# KiCad board V5PCB_Panel.kicad_pcb
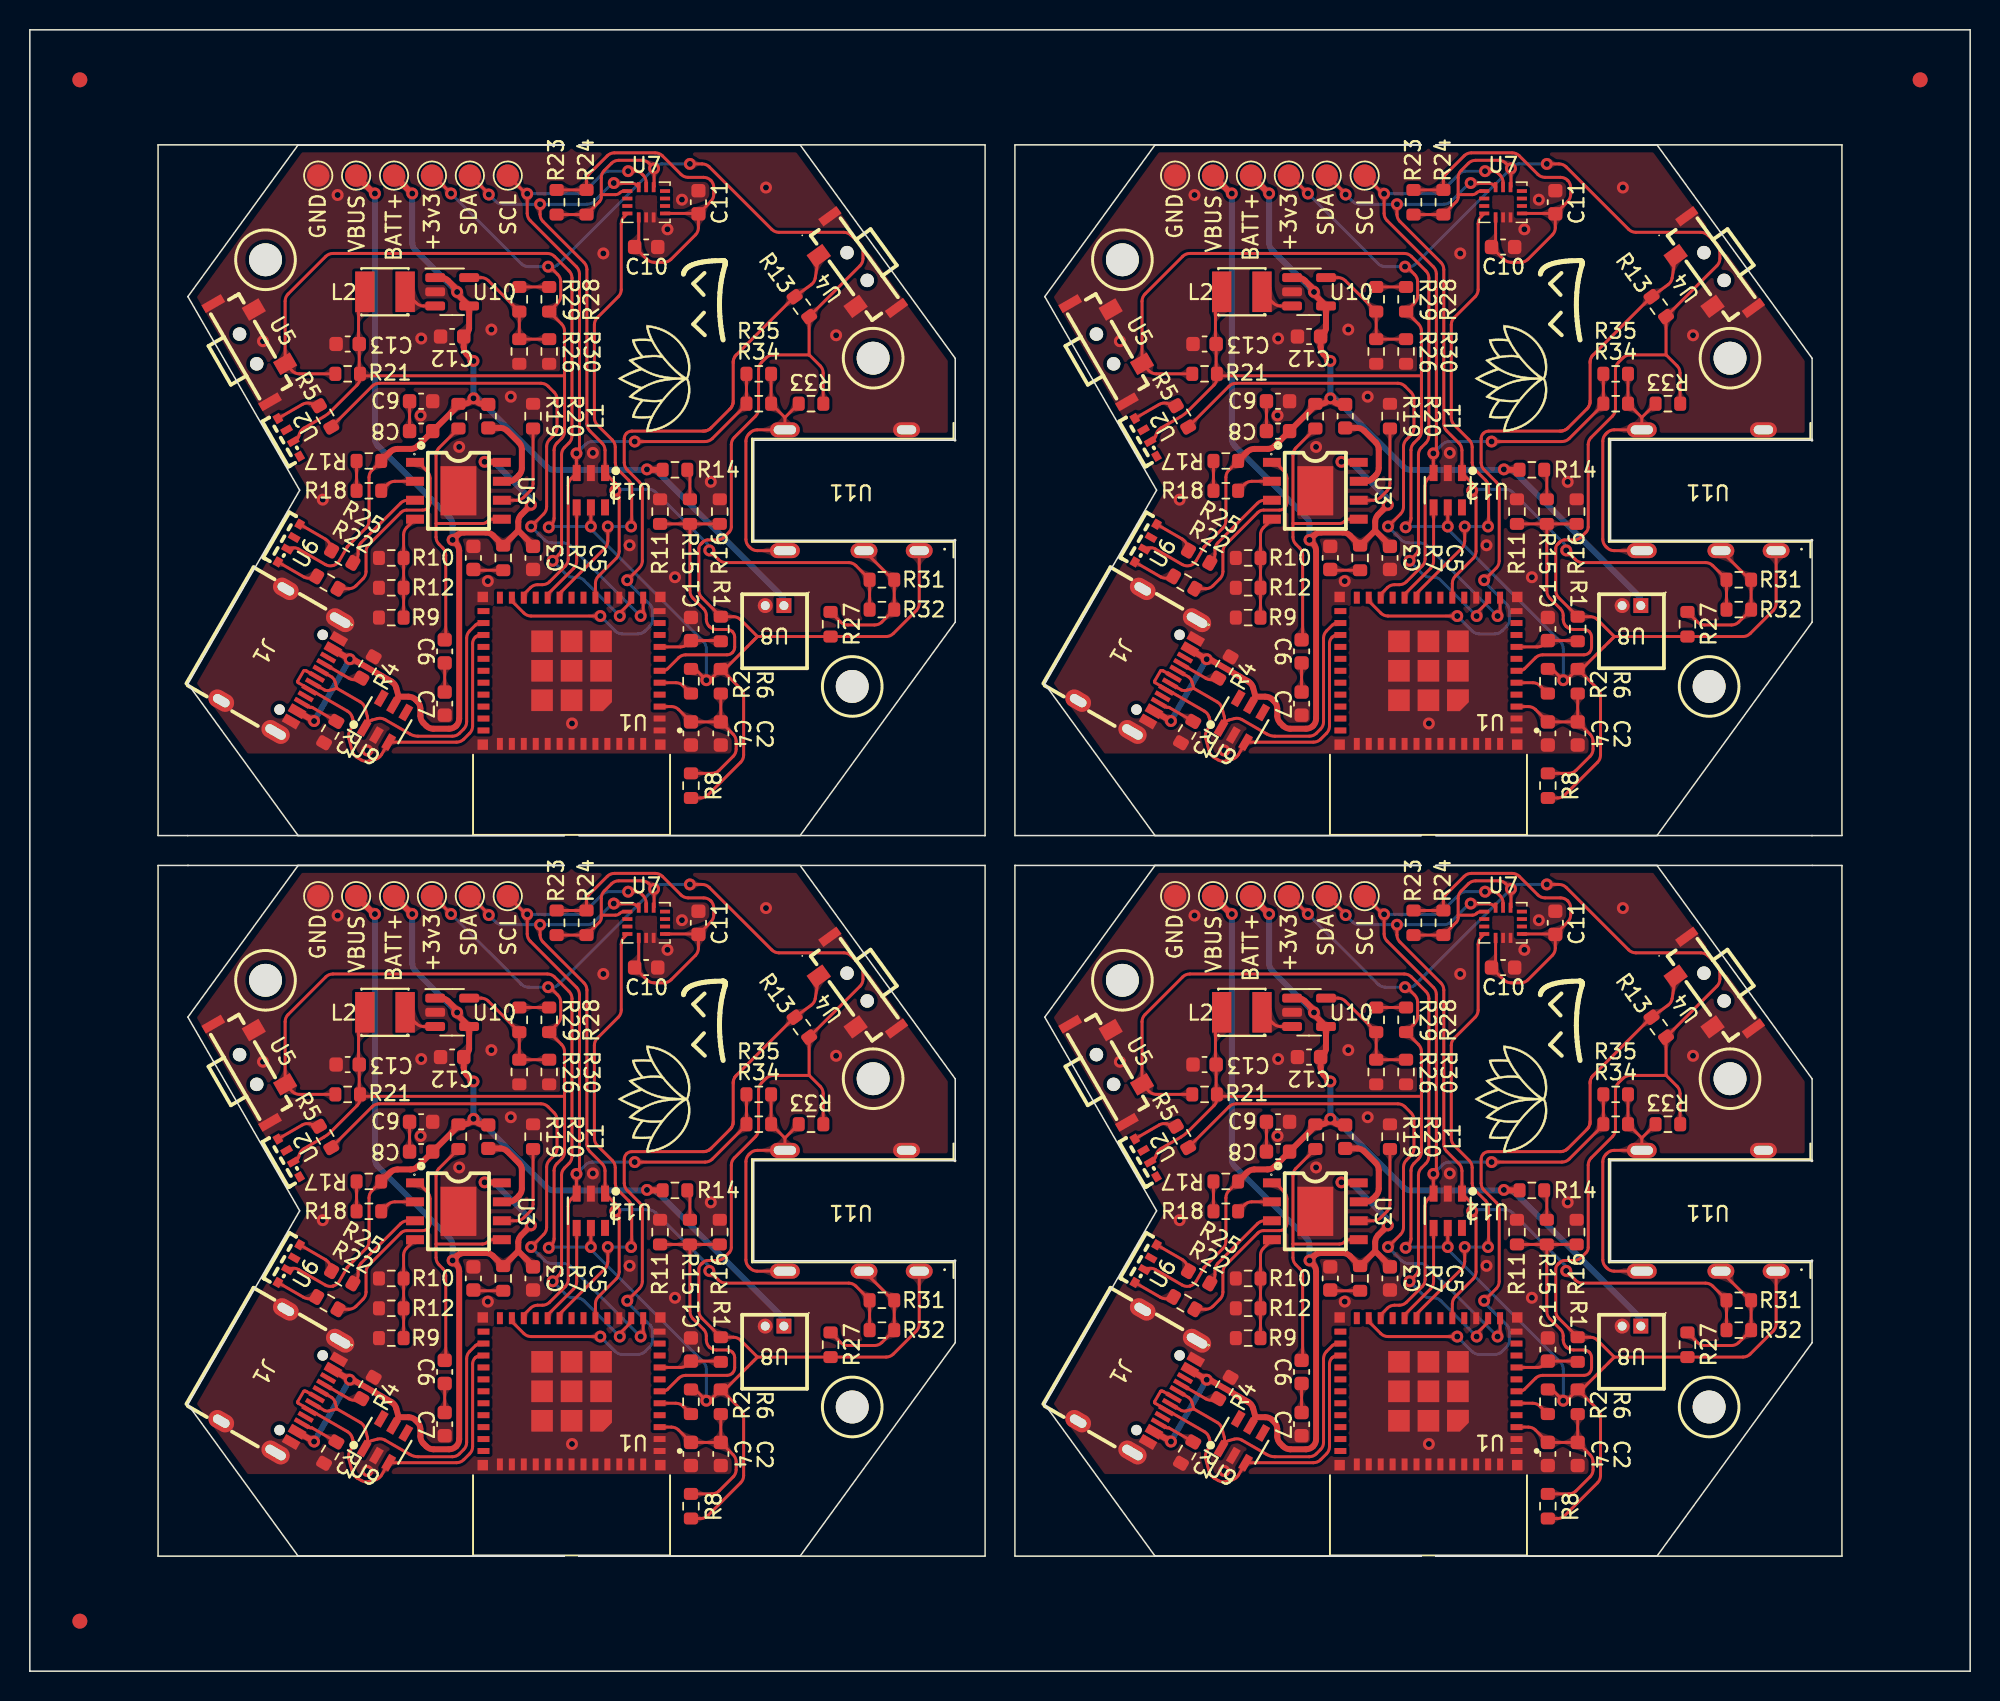
[diagram p0: board, top side]
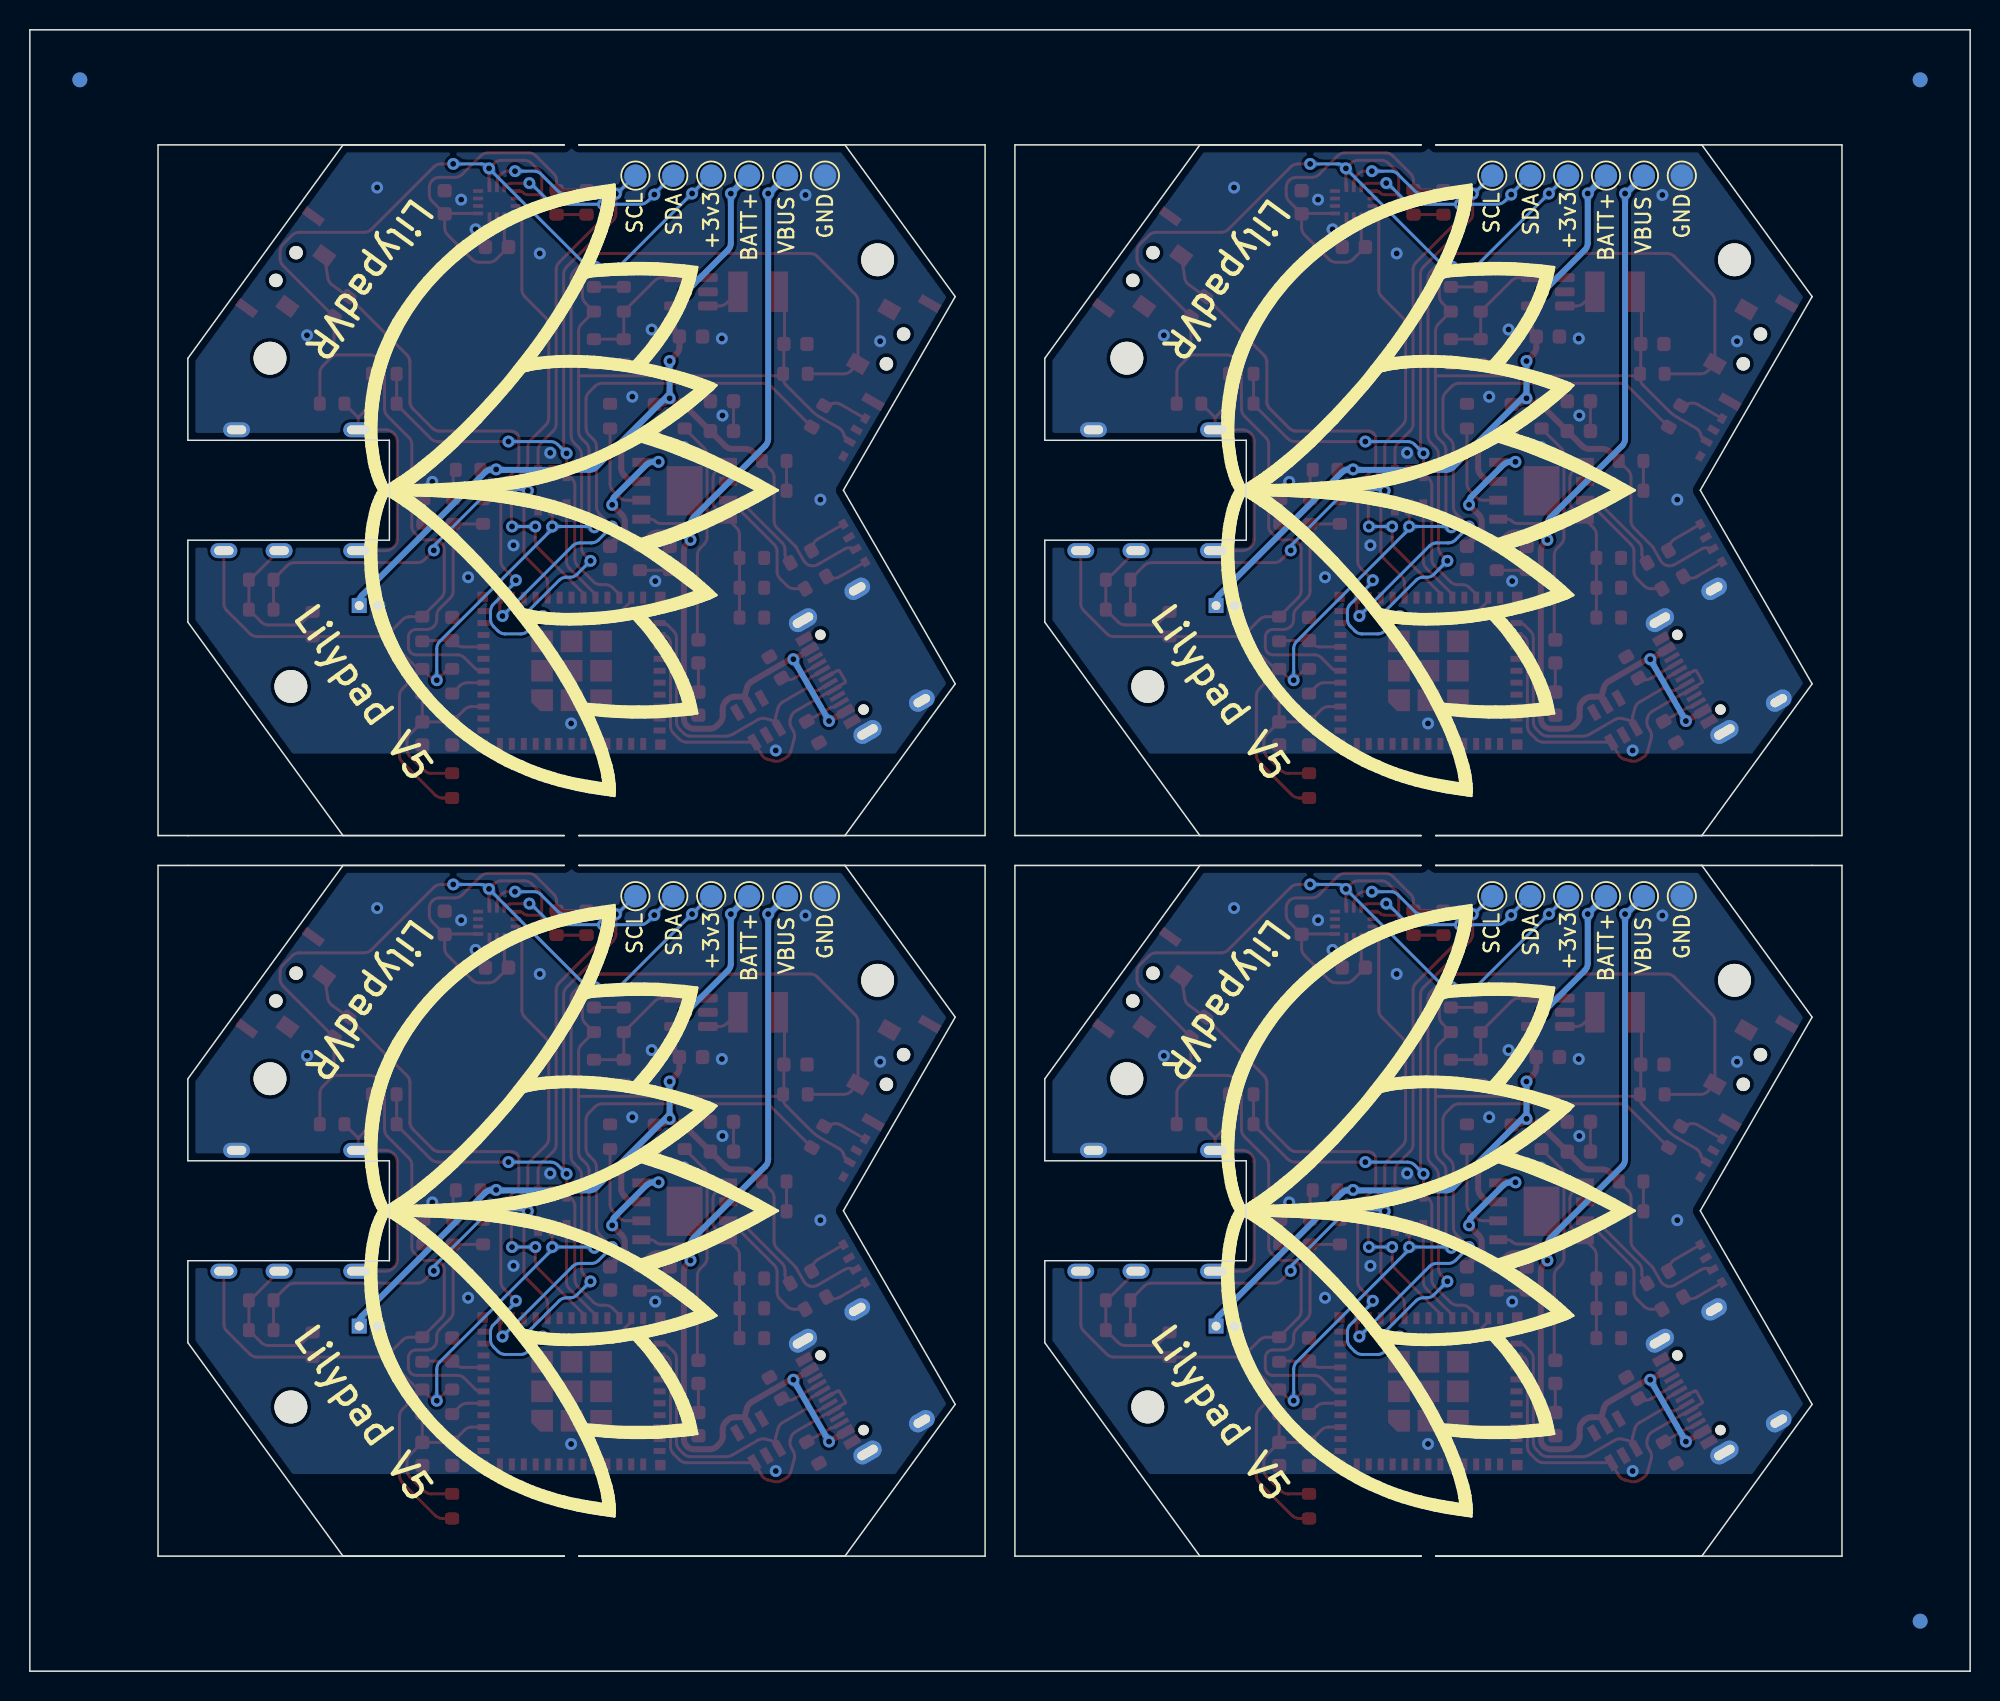
[diagram p1: board, bottom side, seen from below]

Outline 130 x 110 mm; copper layers: Top, Bottom. Coordinates in mm from the lower left corner of the outline.
Outline path: 17.98,102.29 8.59,102.29 8.59,56 17.98,56 ; 17.98,102.29 10.59,92.12 18.08,79.14 10.59,66.17 17.98,56 ; 17.98,102.29 35.79,102.29 17.98,102.29 ; 17.98,54 8.59,54 8.59,7.71 17.98,7.71 ; 17.98,54 10.59,43.83 18.08,30.86 10.59,17.88 17.98,7.71 ; 17.98,54 35.79,54 17.98,54 ; 17.98,56 35.79,56 17.98,56 ; 17.98,7.71 35.79,7.71 17.98,7.71 ; 75.39,102.29 66,102.29 66,56 75.39,56 ; 75.39,102.29 68,92.12 75.49,79.14 68,66.17 75.39,56 ; 75.39,102.29 93.21,102.29 75.39,102.29 ; 75.39,54 66,54 66,7.71 75.39,7.71 ; 75.39,54 68,43.83 75.49,30.86 68,17.88 75.39,7.71 ; 75.39,54 93.21,54 75.39,54 ; 75.39,56 93.21,56 75.39,56 ; 75.39,7.71 93.21,7.71 75.39,7.71 ; 0,110 0,0 130,0 130,110 0,110 ; 36.79,102.29 64,102.29 64,56 36.79,56 51.61,56 62,70.3 62,75.79 48.5,75.79 48.5,82.49 62,82.49 62,87.99 51.61,102.29 36.79,102.29 ; 36.79,54 64,54 64,7.71 36.79,7.71 51.61,7.71 62,22.01 62,27.51 48.5,27.51 48.5,34.21 62,34.21 62,39.7 51.61,54 36.79,54 ; 94.21,102.29 121.41,102.29 121.41,56 94.21,56 109.02,56 119.41,70.3 119.41,75.79 105.91,75.79 105.91,82.49 119.41,82.49 119.41,87.99 109.02,102.29 94.21,102.29 ; 94.21,54 121.41,54 121.41,7.71 94.21,7.71 109.02,7.71 119.41,22.01 119.41,27.51 105.91,27.51 105.91,34.21 119.41,34.21 119.41,39.7 109.02,54 94.21,54
Stack: Top 0.035mm / dielectric 0.91mm FR4 er 4.5 / Bottom 0.035mm

## Placement (name value [footprint] x y rotation side)
+3v3  -  [TestPoint_Pad_D1.5mm]  26.94 100.23 90 top
+3v3#2  -  [TestPoint_Pad_D1.5mm]  84.35 100.23 90 top
+3v3#3  -  [TestPoint_Pad_D1.5mm]  26.94 51.94 90 top
+3v3#4  -  [TestPoint_Pad_D1.5mm]  84.35 51.94 90 top
+3v3#5  -  [TestPoint_Pad_D1.5mm]  84.35 51.94 270 bottom
+3v3#6  -  [TestPoint_Pad_D1.5mm]  26.94 100.23 270 bottom
+3v3#7  -  [TestPoint_Pad_D1.5mm]  84.35 100.23 270 bottom
+3v3#8  -  [TestPoint_Pad_D1.5mm]  26.94 51.94 270 bottom
BATT+  -  [TestPoint_Pad_D1.5mm]  24.4 51.94 90 top
BATT+#2  -  [TestPoint_Pad_D1.5mm]  81.81 51.94 90 top
BATT+#3  -  [TestPoint_Pad_D1.5mm]  24.4 100.23 90 top
BATT+#4  -  [TestPoint_Pad_D1.5mm]  81.81 100.23 90 top
BATT+#5  -  [TestPoint_Pad_D1.5mm]  24.4 51.94 270 bottom
BATT+#6  -  [TestPoint_Pad_D1.5mm]  81.81 100.23 270 bottom
BATT+#7  -  [TestPoint_Pad_D1.5mm]  81.81 51.94 270 bottom
BATT+#8  -  [TestPoint_Pad_D1.5mm]  24.4 100.23 270 bottom
C1  1u  [C_0603_1608Metric]  44.29 21.56 90 top
C1#2  1u  [C_0603_1608Metric]  101.71 21.56 90 top
C1#3  1u  [C_0603_1608Metric]  44.29 69.84 90 top
C1#4  1u  [C_0603_1608Metric]  101.71 69.84 90 top
C2  100n  [C_0603_1608Metric]  46.29 62.84 270 top
C2#2  100n  [C_0603_1608Metric]  46.29 14.56 270 top
C2#3  100n  [C_0603_1608Metric]  103.71 14.56 270 top
C2#4  100n  [C_0603_1608Metric]  103.71 62.84 270 top
C3  10u  [C_0603_1608Metric]  29.72 26.32 90 top
C3#2  10u  [C_0603_1608Metric]  87.13 26.32 90 top
C3#3  10u  [C_0603_1608Metric]  29.72 74.61 90 top
C3#4  10u  [C_0603_1608Metric]  87.13 74.61 90 top
C4  1u  [C_0603_1608Metric]  101.71 14.56 270 top
C4#2  1u  [C_0603_1608Metric]  101.71 62.84 270 top
C4#3  1u  [C_0603_1608Metric]  44.29 14.56 270 top
C4#4  1u  [C_0603_1608Metric]  44.29 62.84 270 top
C5  10u  [C_0603_1608Metric]  91.13 26.32 270 top
C5#2  10u  [C_0603_1608Metric]  33.72 74.61 270 top
C5#3  10u  [C_0603_1608Metric]  33.72 26.32 270 top
C5#4  10u  [C_0603_1608Metric]  91.13 74.61 270 top
C6  10u  [C_0603_1608Metric]  85.21 20.06 270 top
C6#2  10u  [C_0603_1608Metric]  85.21 68.34 270 top
C6#3  10u  [C_0603_1608Metric]  27.79 20.06 270 top
C6#4  10u  [C_0603_1608Metric]  27.79 68.34 270 top
C7  10u  [C_0603_1608Metric]  27.79 16.56 270 top
C7#2  10u  [C_0603_1608Metric]  85.21 64.84 270 top
C7#3  10u  [C_0603_1608Metric]  27.79 64.84 270 top
C7#4  10u  [C_0603_1608Metric]  85.21 16.56 270 top
C8  10u  [C_0603_1608Metric]  83.63 34.82 180 top
C8#2  10u  [C_0603_1608Metric]  26.22 83.11 180 top
C8#3  10u  [C_0603_1608Metric]  83.63 83.11 180 top
C8#4  10u  [C_0603_1608Metric]  26.22 34.82 180 top
C9  10u  [C_0603_1608Metric]  83.63 85.11 0 top
C9#2  10u  [C_0603_1608Metric]  26.22 36.82 0 top
C9#3  10u  [C_0603_1608Metric]  26.22 85.11 0 top
C9#4  10u  [C_0603_1608Metric]  83.63 36.82 0 top
C10  100n  [C_0603_1608Metric]  41.29 47.16 0 top
C10#2  100n  [C_0603_1608Metric]  41.29 95.44 0 top
C10#3  100n  [C_0603_1608Metric]  98.71 95.44 0 top
C10#4  100n  [C_0603_1608Metric]  98.71 47.16 0 top
C11  100n  [C_0603_1608Metric]  44.79 98.44 90 top
C11#2  100n  [C_0603_1608Metric]  102.21 98.44 90 top
C11#3  100n  [C_0603_1608Metric]  102.21 50.16 90 top
C11#4  100n  [C_0603_1608Metric]  44.79 50.16 90 top
C12  4.7u  [C_0603_1608Metric]  28.29 41.16 180 top
C12#2  4.7u  [C_0603_1608Metric]  85.71 41.16 180 top
C12#3  4.7u  [C_0603_1608Metric]  85.71 89.44 180 top
C12#4  4.7u  [C_0603_1608Metric]  28.29 89.44 180 top
C13  10u  [C_0603_1608Metric]  21.29 88.94 180 top
C13#2  10u  [C_0603_1608Metric]  78.71 88.94 180 top
C13#3  10u  [C_0603_1608Metric]  78.71 40.66 180 top
C13#4  10u  [C_0603_1608Metric]  21.29 40.66 180 top
GND  -  [TestPoint_Pad_D1.5mm]  76.73 51.94 90 top
GND#2  -  [TestPoint_Pad_D1.5mm]  76.73 100.23 90 top
GND#3  -  [TestPoint_Pad_D1.5mm]  19.32 51.94 90 top
GND#4  -  [TestPoint_Pad_D1.5mm]  19.32 100.23 90 top
GND#5  -  [TestPoint_Pad_D1.5mm]  19.32 100.23 270 bottom
GND#6  -  [TestPoint_Pad_D1.5mm]  76.73 100.23 270 bottom
GND#7  -  [TestPoint_Pad_D1.5mm]  76.73 51.94 270 bottom
GND#8  -  [TestPoint_Pad_D1.5mm]  19.32 51.94 270 bottom
J1  TYPE_C_6PIN_2MD_073  [USB-C-SMD_TYPE-C-6PIN-2MD-073]  17.05 67.6 240 top
J1#2  TYPE_C_6PIN_2MD_073  [USB-C-SMD_TYPE-C-6PIN-2MD-073]  74.46 67.6 240 top
J1#3  TYPE_C_6PIN_2MD_073  [USB-C-SMD_TYPE-C-6PIN-2MD-073]  74.46 19.31 240 top
J1#4  TYPE_C_6PIN_2MD_073  [USB-C-SMD_TYPE-C-6PIN-2MD-073]  17.05 19.31 240 top
KiKit_FID_B_1  -  [Fiducial]  3.35 106.65 0 bottom
KiKit_FID_B_2  -  [Fiducial]  126.65 106.65 0 bottom
KiKit_FID_B_3  -  [Fiducial]  3.35 3.35 0 bottom
KiKit_FID_T_1  -  [Fiducial]  3.35 106.65 0 top
KiKit_FID_T_2  -  [Fiducial]  126.65 106.65 0 top
KiKit_FID_T_3  -  [Fiducial]  3.35 3.35 0 top
L1  1uH  [L_0603_1608Metric]  88.13 35.82 90 top
L1#2  1uH  [L_0603_1608Metric]  30.72 35.82 90 top
L1#3  1uH  [L_0603_1608Metric]  88.13 84.11 90 top
L1#4  1uH  [L_0603_1608Metric]  30.72 84.11 90 top
L2  2.2uH  [IND-SMD_L3.0-W3.0_FNR30XXS]  81.21 92.44 0 top
L2#2  2.2uH  [IND-SMD_L3.0-W3.0_FNR30XXS]  81.21 44.16 0 top
L2#3  2.2uH  [IND-SMD_L3.0-W3.0_FNR30XXS]  23.79 92.44 0 top
L2#4  2.2uH  [IND-SMD_L3.0-W3.0_FNR30XXS]  23.79 44.16 0 top
R1  5k1  [R_0603_1608Metric]  46.29 21.56 270 top
R1#2  5k1  [R_0603_1608Metric]  103.71 21.56 270 top
R1#3  5k1  [R_0603_1608Metric]  46.29 69.84 270 top
R1#4  5k1  [R_0603_1608Metric]  103.71 69.84 270 top
R2  5k1  [R_0603_1608Metric]  101.71 66.34 90 top
R2#2  5k1  [R_0603_1608Metric]  101.71 18.06 90 top
R2#3  5k1  [R_0603_1608Metric]  44.29 18.06 90 top
R2#4  5k1  [R_0603_1608Metric]  44.29 66.34 90 top
R3  5k1  [R_0603_1608Metric]  20.13 62.94 240 top
R3#2  5k1  [R_0603_1608Metric]  77.54 62.94 240 top
R3#3  5k1  [R_0603_1608Metric]  77.54 14.65 240 top
R3#4  5k1  [R_0603_1608Metric]  20.13 14.65 240 top
R4  5k1  [R_0603_1608Metric]  80.04 67.27 60 top
R4#2  5k1  [R_0603_1608Metric]  22.63 67.27 60 top
R4#3  5k1  [R_0603_1608Metric]  22.63 18.98 60 top
R4#4  5k1  [R_0603_1608Metric]  80.04 18.98 60 top
R5  3k  [R_0603_1608Metric]  19.78 84.09 300 top
R5#2  3k  [R_0603_1608Metric]  77.19 84.09 300 top
R5#3  3k  [R_0603_1608Metric]  19.78 35.8 300 top
R5#4  3k  [R_0603_1608Metric]  77.19 35.8 300 top
R6  470  [R_0603_1608Metric]  46.29 18.06 270 top
R6#2  470  [R_0603_1608Metric]  103.71 66.34 270 top
R6#3  470  [R_0603_1608Metric]  103.71 18.06 270 top
R6#4  470  [R_0603_1608Metric]  46.29 66.34 270 top
R7  2r  [R_0603_1608Metric]  31.72 26.32 270 top
R7#2  2r  [R_0603_1608Metric]  89.13 74.61 270 top
R7#3  2r  [R_0603_1608Metric]  89.13 26.32 270 top
R7#4  2r  [R_0603_1608Metric]  31.72 74.61 270 top
R8  470  [R_0603_1608Metric]  101.71 59.34 90 top
R8#2  470  [R_0603_1608Metric]  44.29 11.06 90 top
R8#3  470  [R_0603_1608Metric]  44.29 59.34 90 top
R8#4  470  [R_0603_1608Metric]  101.71 11.06 90 top
R9  150k  [R_0603_1608Metric]  24.22 70.61 0 top
R9#2  150k  [R_0603_1608Metric]  24.22 22.32 0 top
R9#3  150k  [R_0603_1608Metric]  81.63 70.61 0 top
R9#4  150k  [R_0603_1608Metric]  81.63 22.32 0 top
R10  150k  [R_0603_1608Metric]  24.22 74.61 0 top
R10#2  150k  [R_0603_1608Metric]  81.63 74.61 0 top
R10#3  150k  [R_0603_1608Metric]  81.63 26.32 0 top
R10#4  150k  [R_0603_1608Metric]  24.22 26.32 0 top
R11  150k  [R_0603_1608Metric]  42.22 29.42 90 top
R11#2  150k  [R_0603_1608Metric]  99.64 77.71 90 top
R11#3  150k  [R_0603_1608Metric]  99.64 29.42 90 top
R11#4  150k  [R_0603_1608Metric]  42.22 77.71 90 top
R12  150k  [R_0603_1608Metric]  24.22 24.32 0 top
R12#2  150k  [R_0603_1608Metric]  81.63 24.32 0 top
R12#3  150k  [R_0603_1608Metric]  81.63 72.61 0 top
R12#4  150k  [R_0603_1608Metric]  24.22 72.61 0 top
R13  5k1  [R_0603_1608Metric]  109.14 43.16 306 top
R13#2  5k1  [R_0603_1608Metric]  109.14 91.45 306 top
R13#3  5k1  [R_0603_1608Metric]  51.73 43.16 306 top
R13#4  5k1  [R_0603_1608Metric]  51.73 91.45 306 top
R14  150k  [R_0603_1608Metric]  43.22 80.51 0 top
R14#2  150k  [R_0603_1608Metric]  100.64 80.51 0 top
R14#3  150k  [R_0603_1608Metric]  43.22 32.22 0 top
R14#4  150k  [R_0603_1608Metric]  100.64 32.22 0 top
R15  150k  [R_0603_1608Metric]  101.64 77.71 270 top
R15#2  150k  [R_0603_1608Metric]  101.64 29.42 270 top
R15#3  150k  [R_0603_1608Metric]  44.22 77.71 270 top
R15#4  150k  [R_0603_1608Metric]  44.22 29.42 270 top
R16  150k  [R_0603_1608Metric]  103.64 77.71 90 top
R16#2  150k  [R_0603_1608Metric]  46.22 29.42 90 top
R16#3  150k  [R_0603_1608Metric]  46.22 77.71 90 top
R16#4  150k  [R_0603_1608Metric]  103.64 29.42 90 top
R17  470  [R_0603_1608Metric]  22.72 32.82 180 top
R17#2  470  [R_0603_1608Metric]  80.13 32.82 180 top
R17#3  470  [R_0603_1608Metric]  80.13 81.11 180 top
R17#4  470  [R_0603_1608Metric]  22.72 81.11 180 top
R18  470  [R_0603_1608Metric]  80.13 79.11 0 top
R18#2  470  [R_0603_1608Metric]  22.72 30.82 0 top
R18#3  470  [R_0603_1608Metric]  80.13 30.82 0 top
R18#4  470  [R_0603_1608Metric]  22.72 79.11 0 top
R19  91k  [R_0603_1608Metric]  91.13 35.82 270 top
R19#2  91k  [R_0603_1608Metric]  91.13 84.11 270 top
R19#3  91k  [R_0603_1608Metric]  33.72 35.82 270 top
R19#4  91k  [R_0603_1608Metric]  33.72 84.11 270 top
R20  0r5  [R_0603_1608Metric]  28.72 84.11 270 top
R20#2  0r5  [R_0603_1608Metric]  28.72 35.82 270 top
R20#3  0r5  [R_0603_1608Metric]  86.13 84.11 270 top
R20#4  0r5  [R_0603_1608Metric]  86.13 35.82 270 top
R21  5k1  [R_0603_1608Metric]  21.29 38.66 0 top
R21#2  5k1  [R_0603_1608Metric]  21.29 86.94 0 top
R21#3  5k1  [R_0603_1608Metric]  78.71 86.94 0 top
R21#4  5k1  [R_0603_1608Metric]  78.71 38.66 0 top
R22  3k  [R_0603_1608Metric]  19.93 24.67 330 top
R22#2  3k  [R_0603_1608Metric]  19.93 72.96 330 top
R22#3  3k  [R_0603_1608Metric]  77.34 24.67 330 top
R22#4  3k  [R_0603_1608Metric]  77.34 72.96 330 top
R23  470  [R_0603_1608Metric]  35.29 98.44 90 top
R23#2  470  [R_0603_1608Metric]  92.71 98.44 90 top
R23#3  470  [R_0603_1608Metric]  92.71 50.16 90 top
R23#4  470  [R_0603_1608Metric]  35.29 50.16 90 top
R24  470  [R_0603_1608Metric]  94.71 98.44 90 top
R24#2  470  [R_0603_1608Metric]  37.29 50.16 90 top
R24#3  470  [R_0603_1608Metric]  94.71 50.16 90 top
R24#4  470  [R_0603_1608Metric]  37.29 98.44 90 top
R25  3k  [R_0603_1608Metric]  78.34 26.4 330 top
R25#2  3k  [R_0603_1608Metric]  20.93 26.4 330 top
R25#3  3k  [R_0603_1608Metric]  20.93 74.69 330 top
R25#4  3k  [R_0603_1608Metric]  78.34 74.69 330 top
R26  150k  [R_0603_1608Metric]  32.79 88.44 270 top
R26#2  150k  [R_0603_1608Metric]  90.21 88.44 270 top
R26#3  150k  [R_0603_1608Metric]  90.21 40.16 270 top
R26#4  150k  [R_0603_1608Metric]  32.79 40.16 270 top
R27  5k1  [R_0603_1608Metric]  53.65 70.16 90 top
R27#2  5k1  [R_0603_1608Metric]  53.65 21.88 90 top
R27#3  5k1  [R_0603_1608Metric]  111.06 70.16 90 top
R27#4  5k1  [R_0603_1608Metric]  111.06 21.88 90 top
R28  150k  [R_0603_1608Metric]  92.21 43.66 90 top
R28#2  150k  [R_0603_1608Metric]  34.79 43.66 90 top
R28#3  150k  [R_0603_1608Metric]  34.79 91.94 90 top
R28#4  150k  [R_0603_1608Metric]  92.21 91.94 90 top
R29  150k  [R_0603_1608Metric]  90.21 43.66 270 top
R29#2  150k  [R_0603_1608Metric]  32.79 91.94 270 top
R29#3  150k  [R_0603_1608Metric]  32.79 43.66 270 top
R29#4  150k  [R_0603_1608Metric]  90.21 91.94 270 top
R30  150k  [R_0603_1608Metric]  34.79 88.44 270 top
R30#2  150k  [R_0603_1608Metric]  92.21 88.44 270 top
R30#3  150k  [R_0603_1608Metric]  34.79 40.16 270 top
R30#4  150k  [R_0603_1608Metric]  92.21 40.16 270 top
R31  470  [R_0603_1608Metric]  57.09 24.86 0 top
R31#2  470  [R_0603_1608Metric]  114.5 73.14 0 top
R31#3  470  [R_0603_1608Metric]  114.5 24.86 0 top
R31#4  470  [R_0603_1608Metric]  57.09 73.14 0 top
R32  470  [R_0603_1608Metric]  114.5 22.86 0 top
R32#2  470  [R_0603_1608Metric]  57.09 71.14 0 top
R32#3  470  [R_0603_1608Metric]  57.09 22.86 0 top
R32#4  470  [R_0603_1608Metric]  114.5 71.14 0 top
R33  5k1  [R_0603_1608Metric]  109.75 84.94 180 top
R33#2  5k1  [R_0603_1608Metric]  52.34 36.66 180 top
R33#3  5k1  [R_0603_1608Metric]  109.75 36.66 180 top
R33#4  5k1  [R_0603_1608Metric]  52.34 84.94 180 top
R34  470  [R_0603_1608Metric]  106.25 84.94 0 top
R34#2  470  [R_0603_1608Metric]  48.84 36.66 0 top
R34#3  470  [R_0603_1608Metric]  48.84 84.94 0 top
R34#4  470  [R_0603_1608Metric]  106.25 36.66 0 top
R35  470  [R_0603_1608Metric]  106.25 38.66 0 top
R35#2  470  [R_0603_1608Metric]  48.84 38.66 0 top
R35#3  470  [R_0603_1608Metric]  106.25 86.94 0 top
R35#4  470  [R_0603_1608Metric]  48.84 86.94 0 top
REF**  -  [MountingHole_2.2mm_M2_ISO7380]  113.91 39.71 90 top
REF**#2  -  [MountingHole_2.2mm_M2_ISO7380]  73.2 94.59 90 top
REF**#3  -  [MountingHole_2.2mm_M2_ISO7380]  112.51 65.99 90 top
REF**#4  -  [MountingHole_2.2mm_M2_ISO7380]  55.1 17.71 90 top
REF**#5  -  [MountingHole_2.2mm_M2_ISO7380]  112.51 17.71 90 top
REF**#6  -  [MountingHole_2.2mm_M2_ISO7380]  56.5 39.71 90 top
REF**#7  -  [MountingHole_2.2mm_M2_ISO7380]  55.1 65.99 90 top
REF**#8  -  [MountingHole_2.2mm_M2_ISO7380]  56.5 87.99 90 top
REF**#9  -  [MountingHole_2.2mm_M2_ISO7380]  15.79 94.59 90 top
REF**#10  -  [MountingHole_2.2mm_M2_ISO7380]  15.79 46.3 90 top
REF**#11  -  [MountingHole_2.2mm_M2_ISO7380]  113.91 87.99 90 top
REF**#12  -  [MountingHole_2.2mm_M2_ISO7380]  73.2 46.3 90 top
SCL  -  [TestPoint_Pad_D1.5mm]  32.02 51.94 90 top
SCL#2  -  [TestPoint_Pad_D1.5mm]  32.02 100.23 90 top
SCL#3  -  [TestPoint_Pad_D1.5mm]  89.43 100.23 90 top
SCL#4  -  [TestPoint_Pad_D1.5mm]  89.43 51.94 90 top
SCL#5  -  [TestPoint_Pad_D1.5mm]  32.02 100.23 270 bottom
SCL#6  -  [TestPoint_Pad_D1.5mm]  89.43 51.94 270 bottom
SCL#7  -  [TestPoint_Pad_D1.5mm]  32.02 51.94 270 bottom
SCL#8  -  [TestPoint_Pad_D1.5mm]  89.43 100.23 270 bottom
SDA  -  [TestPoint_Pad_D1.5mm]  29.48 100.23 90 top
SDA#2  -  [TestPoint_Pad_D1.5mm]  86.89 51.94 90 top
SDA#3  -  [TestPoint_Pad_D1.5mm]  86.89 100.23 90 top
SDA#4  -  [TestPoint_Pad_D1.5mm]  29.48 51.94 90 top
SDA#5  -  [TestPoint_Pad_D1.5mm]  29.48 51.94 270 bottom
SDA#6  -  [TestPoint_Pad_D1.5mm]  86.89 51.94 270 bottom
SDA#7  -  [TestPoint_Pad_D1.5mm]  86.89 100.23 270 bottom
SDA#8  -  [TestPoint_Pad_D1.5mm]  29.48 100.23 270 bottom
U1  ESP32-C3-MINI-1-N4  [XCVR_ESP32-C3-MINI-1-N4]  93.71 16.06 180 top
U1#2  ESP32-C3-MINI-1-N4  [XCVR_ESP32-C3-MINI-1-N4]  36.29 16.06 180 top
U1#3  ESP32-C3-MINI-1-N4  [XCVR_ESP32-C3-MINI-1-N4]  93.71 64.34 180 top
U1#4  ESP32-C3-MINI-1-N4  [XCVR_ESP32-C3-MINI-1-N4]  36.29 64.34 180 top
U2  FM-3510RGBA-SG  [LED-SMD_FM-3510RGBA-SG]  74.81 34.43 120 top
U2#2  FM-3510RGBA-SG  [LED-SMD_FM-3510RGBA-SG]  74.81 82.72 120 top
U2#3  FM-3510RGBA-SG  [LED-SMD_FM-3510RGBA-SG]  17.4 82.72 120 top
U2#4  FM-3510RGBA-SG  [LED-SMD_FM-3510RGBA-SG]  17.4 34.43 120 top
U3  ~  [ESOP-8_L4.9-W3.9-P1.27-LS6.0-BL-EP]  86.13 79.11 270 top
U3#2  ~  [ESOP-8_L4.9-W3.9-P1.27-LS6.0-BL-EP]  28.72 30.82 270 top
U3#3  ~  [ESOP-8_L4.9-W3.9-P1.27-LS6.0-BL-EP]  28.72 79.11 270 top
U3#4  ~  [ESOP-8_L4.9-W3.9-P1.27-LS6.0-BL-EP]  86.13 30.82 270 top
U4  TS-KG012EV  [SW-SMD_TS-KG012EV]  54.96 93.8 126 top
U4#2  TS-KG012EV  [SW-SMD_TS-KG012EV]  112.37 45.51 126 top
U4#3  TS-KG012EV  [SW-SMD_TS-KG012EV]  54.96 45.51 126 top
U4#4  TS-KG012EV  [SW-SMD_TS-KG012EV]  112.37 93.8 126 top
U5  TS-KG012EV  [SW-SMD_TS-KG012EV]  72.53 88.9 300 top
U5#2  TS-KG012EV  [SW-SMD_TS-KG012EV]  72.53 40.61 300 top
U5#3  TS-KG012EV  [SW-SMD_TS-KG012EV]  15.12 40.61 300 top
U5#4  TS-KG012EV  [SW-SMD_TS-KG012EV]  15.12 88.9 300 top
U6  FM-3510RGBA-SG  [LED-SMD_FM-3510RGBA-SG]  74.81 27.28 60 top
U6#2  FM-3510RGBA-SG  [LED-SMD_FM-3510RGBA-SG]  74.81 75.57 60 top
U6#3  FM-3510RGBA-SG  [LED-SMD_FM-3510RGBA-SG]  17.4 75.57 60 top
U6#4  FM-3510RGBA-SG  [LED-SMD_FM-3510RGBA-SG]  17.4 27.28 60 top
U7  BMI270  [Bosch_LGA-14_3x2.5mm_P0.5mm]  98.71 50.16 0 top
U7#2  BMI270  [Bosch_LGA-14_3x2.5mm_P0.5mm]  41.29 98.44 0 top
U7#3  BMI270  [Bosch_LGA-14_3x2.5mm_P0.5mm]  98.71 98.44 0 top
U7#4  BMI270  [Bosch_LGA-14_3x2.5mm_P0.5mm]  41.29 50.16 0 top
U8  1_25T-2AW_C722634  [CONN-TH_1.25T-2AW]  49.9 23.13 180 top
U8#2  1_25T-2AW_C722634  [CONN-TH_1.25T-2AW]  49.9 71.41 180 top
U8#3  1_25T-2AW_C722634  [CONN-TH_1.25T-2AW]  107.31 23.13 180 top
U8#4  1_25T-2AW_C722634  [CONN-TH_1.25T-2AW]  107.31 71.41 180 top
U9  SRV05-4_C558418  [SOT-23-6_L2.9-W1.6-P0.95-LS2.8-BL]  81.21 63.73 330 top
U9#2  SRV05-4_C558418  [SOT-23-6_L2.9-W1.6-P0.95-LS2.8-BL]  23.79 15.44 330 top
U9#3  SRV05-4_C558418  [SOT-23-6_L2.9-W1.6-P0.95-LS2.8-BL]  81.21 15.44 330 top
U9#4  SRV05-4_C558418  [SOT-23-6_L2.9-W1.6-P0.95-LS2.8-BL]  23.79 63.73 330 top
U10  M3406  [SOT-23-5]  85.71 92.44 0 top
U10#2  M3406  [SOT-23-5]  85.71 44.16 0 top
U10#3  M3406  [SOT-23-5]  28.29 92.44 0 top
U10#4  M3406  [SOT-23-5]  28.29 44.16 0 top
U11  ST-0277D00-052-142  [AUDIO-TH_ST-0277D00-052-142]  112.5 30.86 180 top
U11#2  ST-0277D00-052-142  [AUDIO-TH_ST-0277D00-052-142]  112.5 79.14 180 top
U11#3  ST-0277D00-052-142  [AUDIO-TH_ST-0277D00-052-142]  55.09 30.86 180 top
U11#4  ST-0277D00-052-142  [AUDIO-TH_ST-0277D00-052-142]  55.09 79.14 180 top
U12  SRV05-4_C558418  [SOT-23-6_L2.9-W1.6-P0.95-LS2.8-BL]  95 30.86 180 top
U12#2  SRV05-4_C558418  [SOT-23-6_L2.9-W1.6-P0.95-LS2.8-BL]  95 79.14 180 top
U12#3  SRV05-4_C558418  [SOT-23-6_L2.9-W1.6-P0.95-LS2.8-BL]  37.59 79.14 180 top
U12#4  SRV05-4_C558418  [SOT-23-6_L2.9-W1.6-P0.95-LS2.8-BL]  37.59 30.86 180 top